# Altium PCB DDS_Generator.PcbDoc
Units mm, origin at the board's own origin, x right, y up, seen from the top; angles counter-clockwise.
Board outline 62 x 100 mm, 2 copper layers (Top Layer, Bottom Layer), stack 1.271 mm thick; 69 components, 51 nets, 244 pads, 176 vias.
Unrouted connection lines stored in the file: 3.
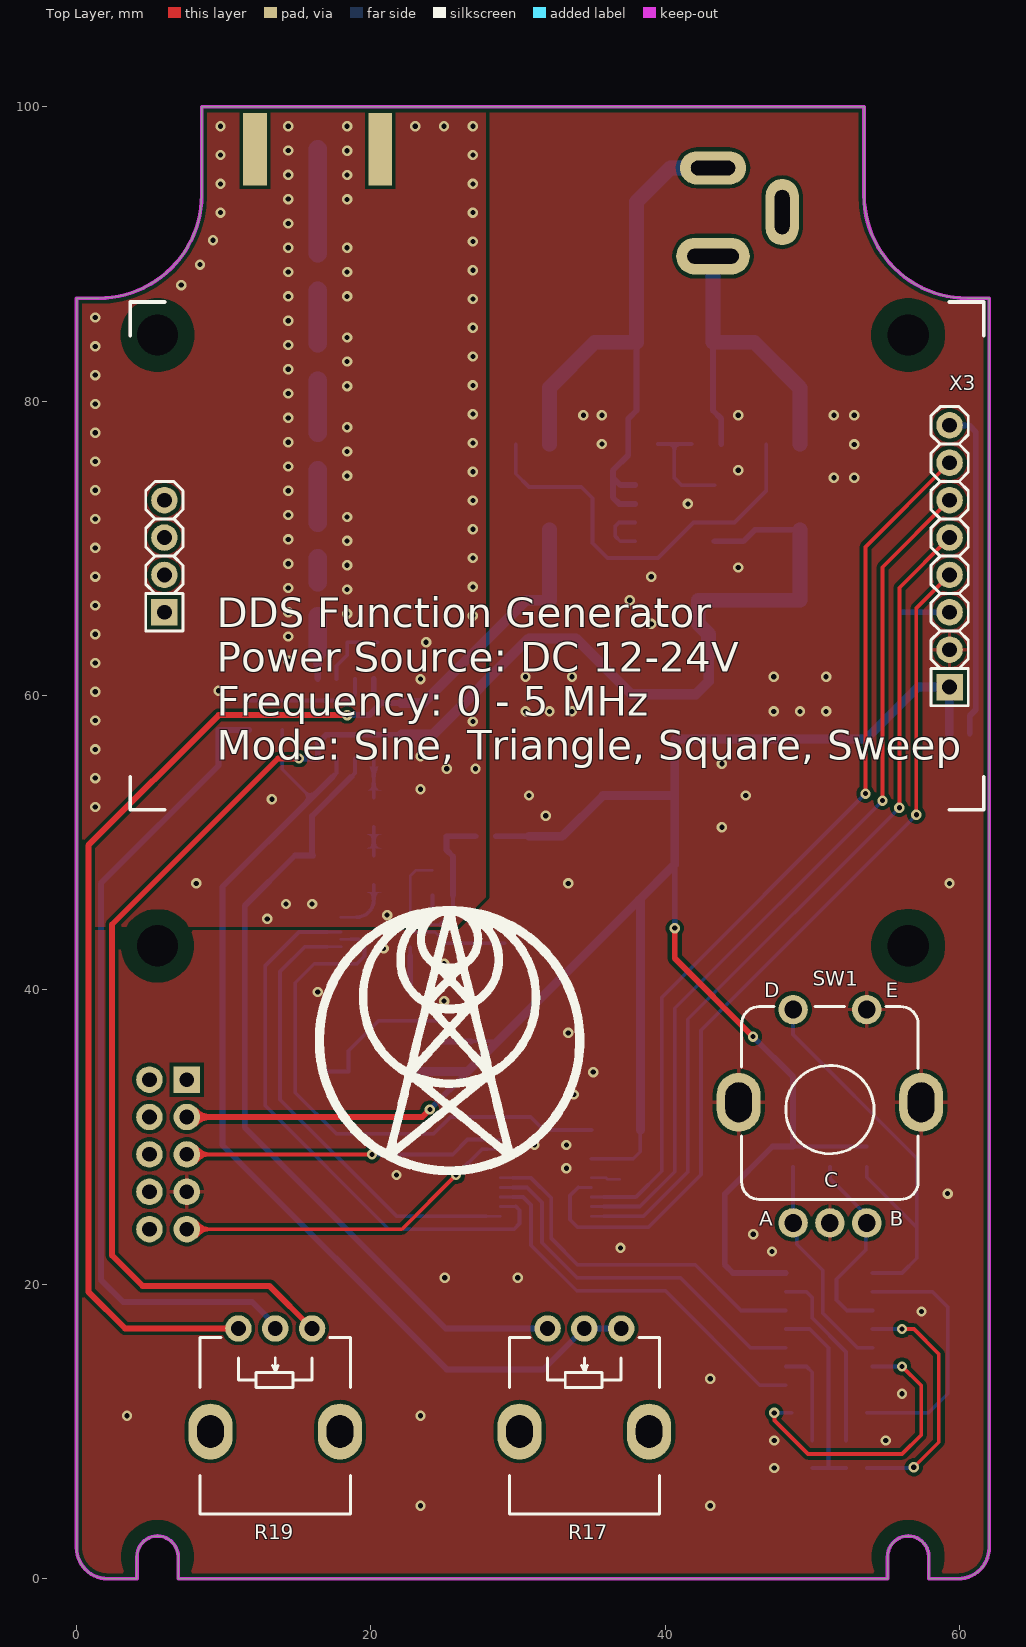
[diagram p0: Top Layer view]
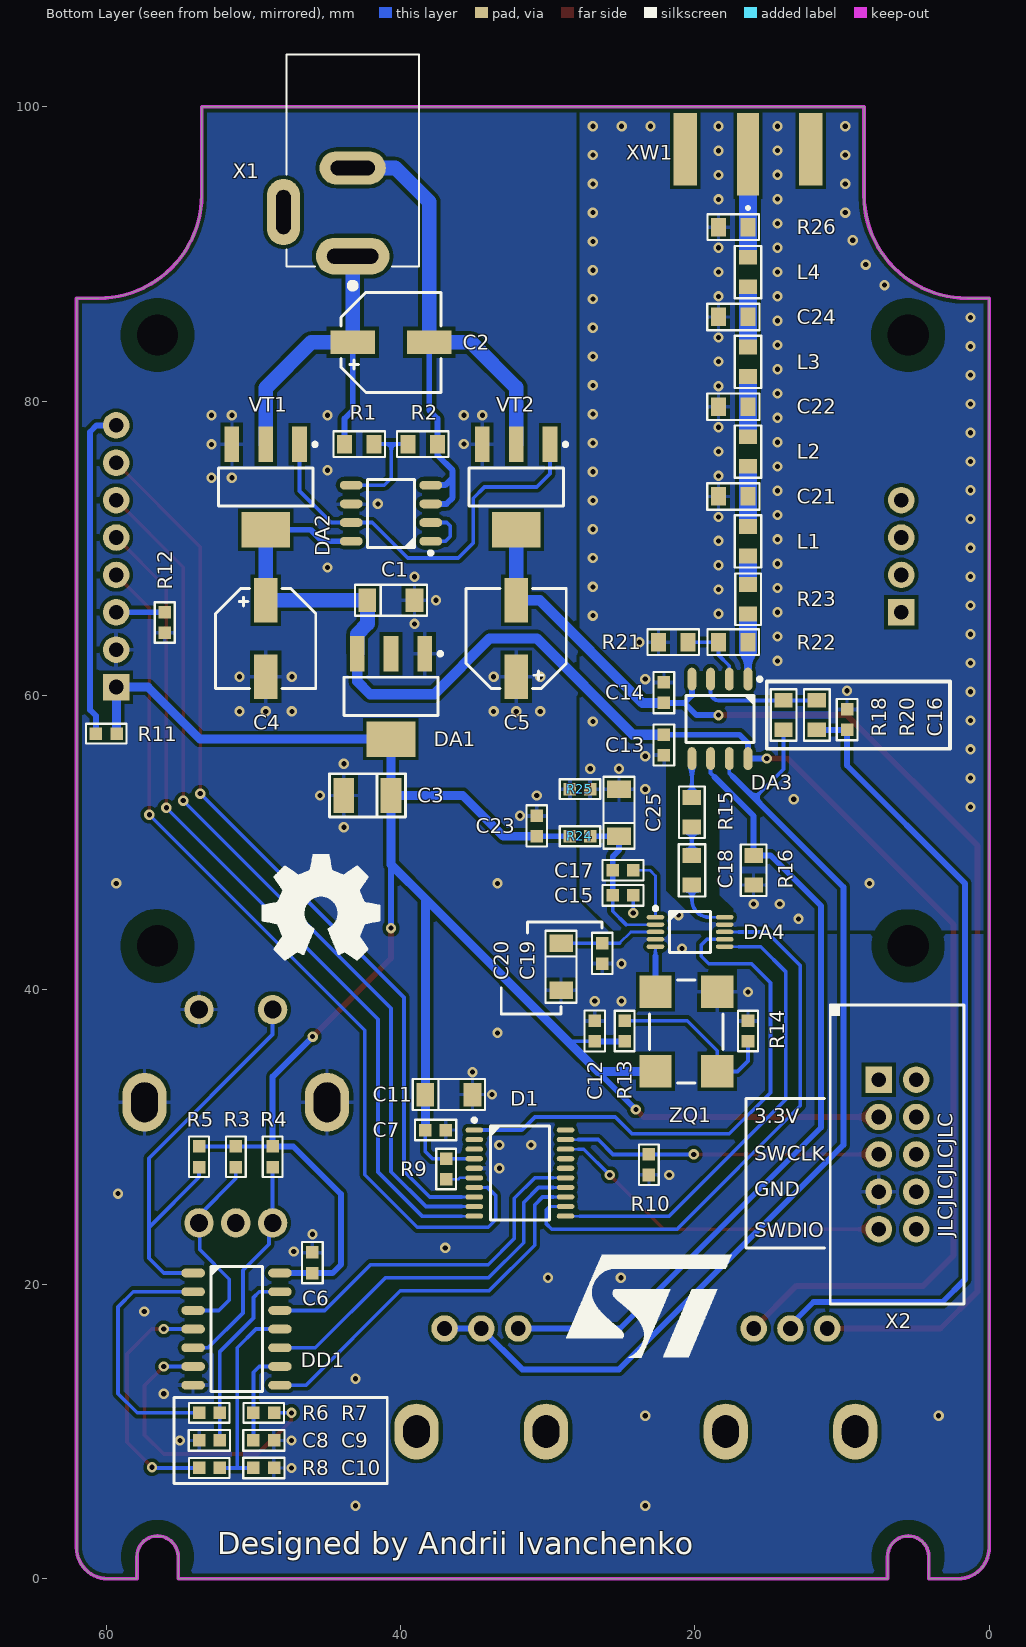
[diagram p1: Bottom Layer view, seen from below]
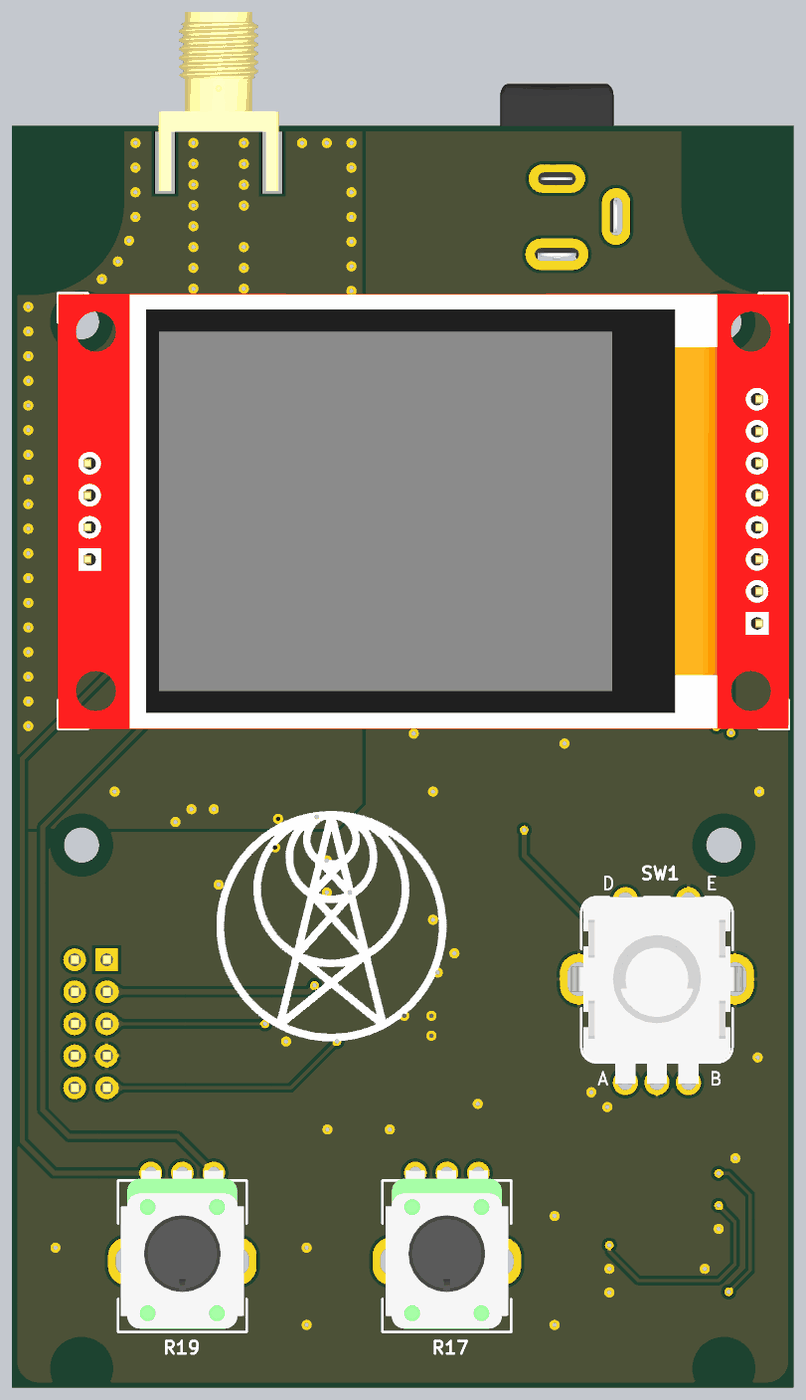
[diagram p2: 3D render of the assembled board from above, using the file's embedded part models]
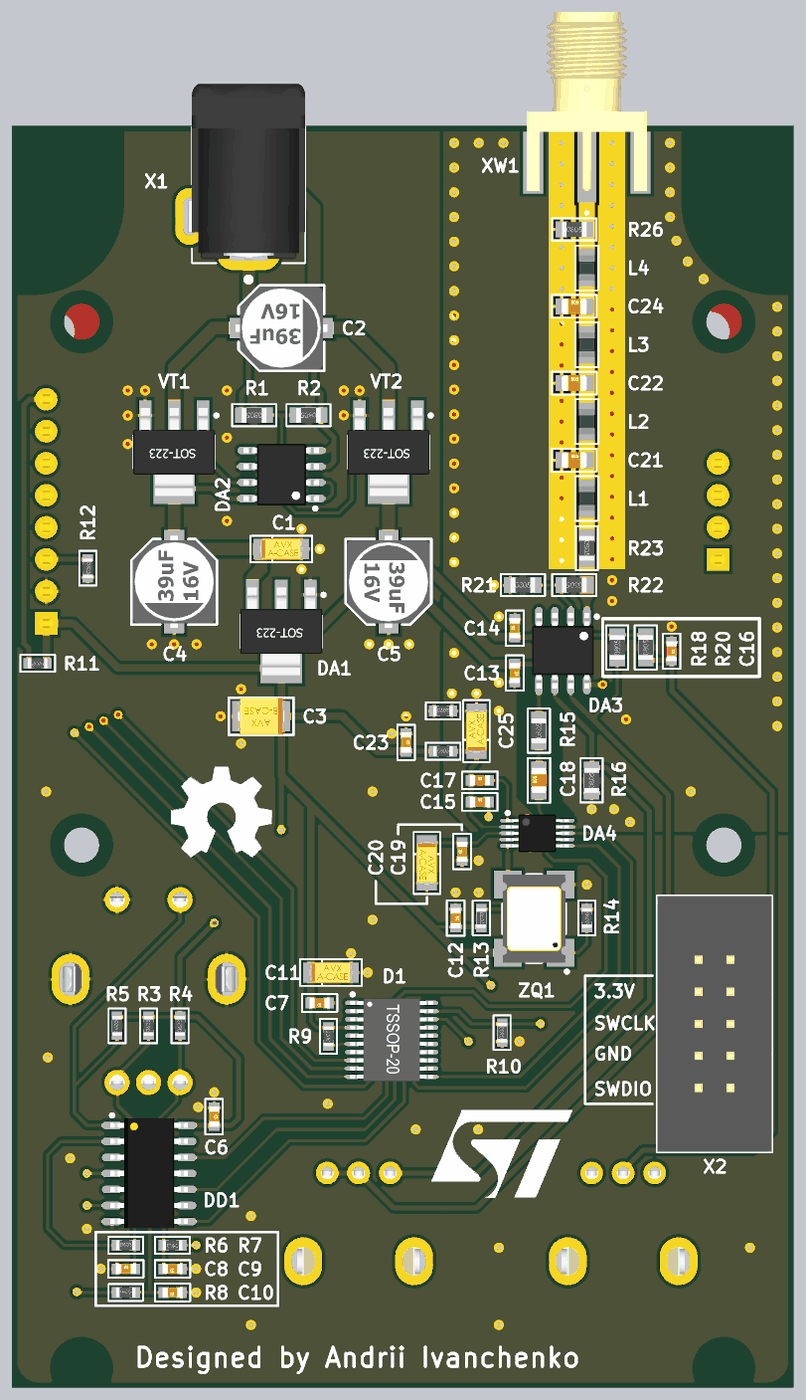
[diagram p3: 3D render of the assembled board from below, using the file's embedded part models]

## Layer stack, top to bottom
Top Solder: solder mask 0.0102, Solder Resist, Dk 3.5
Top Layer: signal copper 0.0356
Dielectric 1: dielectric 1.2, FR-4, Dk 4.8
Bottom Layer: signal copper 0.0356
Bottom Solder: solder mask 0.0102, Solder Resist, Dk 3.5

## Board outline
4.1,0 4.1,1.5 cw(c5.5,1.5) 6.9,1.5 6.9,0 55.1,0 55.1,1.5 cw(c56.5,1.5) 57.9,1.5 57.9,0 59.95,0 59.896,-0.001 ccw(c59.896,2.104) 62.001,2.104 62,2.05 62,87 60.5,87 cw(c60.5,94) 53.5,94 53.5,100 8.5,100 8.5,94 cw(c1.5,94) 1.5,87 0,87 0,2.05 -0.001,2.104 ccw(c2.105,2.104) 2.105,-0.001 2.05,0

## Design rules (kind name [scope] priority, off if disabled: settings)
BoardOutlineClearance [All] p1: gap=0.2 ignorepadtopadclearanceinfootprint=FALSE
Clearance [All] p1: gap=0.254 ignorepadtopadclearanceinfootprint=FALSE except(0.127: SMDPad-SMDPad; 0.33: Arc-THPad Track-THPad; 0.5: THPad-THPad)
HoleSize [All] p1: absolutevalues=TRUE maxlimit=6.3 minlimit=0.2 maxpercent=80.000 minpercent=20.000
MinimumSolderMaskSliver MinimumSolderMaskSliver_TSSOP [HasFootprint('20-TSSOP')] p1: minsoldermaskwidth=0.2
MinimumSolderMaskSliver [All] p2: minsoldermaskwidth=0.254
PolygonConnect PolygonConnectMSOP [HasFootprint('10-MSOP')] p1: thpad.connectstyle=Relief thpad.reliefconductorwidth=0.18 thpad.reliefentries=4 thpad.polygonreliefangle="90 Angle" thpad.airgapwidth=0.254 smdpad.connectstyle=Direct smdpad.reliefconductorwidth=0.18 smdpad.reliefentries=4 smdpad.polygonreliefangle="90 Angle" smdpad.airgapwidth=0.254 via.connectstyle=Direct via.reliefconductorwidth=0.18 via.reliefentries=4 via.polygonreliefangle="90 Angle" via.airgapwidth=0.254
PolygonConnect [All] p2: thpad.connectstyle=Relief thpad.reliefconductorwidth=0.254 thpad.reliefentries=4 thpad.polygonreliefangle="90 Angle" thpad.airgapwidth=0.254 smdpad.connectstyle=Relief smdpad.reliefconductorwidth=0.254 smdpad.reliefentries=4 smdpad.polygonreliefangle="90 Angle" smdpad.airgapwidth=0.254 via.connectstyle=Direct via.reliefconductorwidth=0.254 via.reliefentries=4 via.polygonreliefangle="90 Angle" via.airgapwidth=0.254
RoutingCorners [All] p1: cornerstyle=45-Degree minsetback=1.27 maxsetback=1.27
RoutingVias [All] p1: holewidth=0.35 width=0.7 viastyle="Through Hole" minholewidth=0.25 minwidth=0.5 maxholewidth=0.5 maxwidth=1
SMDEntry [All] p1: side=TRUE corner=FALSE anyangle=FALSE
SMDToCorner [All] p1: distance=0
SilkToSolderMaskClearance [IsPad] p1: minsilkscreentomaskgap=0.15 clearancetoexposedcopper=TRUE
SolderMaskExpansion SolderMaskExpansion_MSOP [HasFootprint('10-MSOP')] p1: expansion=0.1 istentingtop=FALSE
SolderMaskExpansion [All] p2: expansion=0.05 istentingtop=FALSE
UnRoutedNet [All] p1: checkbadconnections=TRUE
Width RF [InNetClass('RF_LINE')] p1: maxlimit=2 minlimit=0.18 preferedwidth=1
Width SPOS/SNEG [InNetClass('SPOS/SNEG')] p2: maxlimit=1 minlimit=0.4 preferedwidth=0.7
Width +3.3V [InNet('+3.3V')] p3: maxlimit=0.6 minlimit=0.254 preferedwidth=0.4
Width Default [All] p4: maxlimit=0.4 minlimit=0.18 preferedwidth=0.254 minimp=50.000000 maximp=50.000000 favimp=50.000000
25 further rules are at their usual default settings.

## Classes and differential pairs
net class RF_LINE: NetC21_2 NetC22_2 NetC24_2 NetDA3_1 NetL1_1 NetL4_2
net class SPOS/SNEG: SNEG SPOS
component class 3_RF: C12 C13 C14 C15 C16 C17 C18 C19 C20 C21 C22 C23 C24 C25 DA3 DA4 L1 L2 L3 L4 R13 R14 R15 R16 R17 R18 R19 R20 R21 R22 R23 R24 R25 R26 XW1 ZQ1
component class 2_MCU: C6 C7 C8 C9 C10 C11 D1 DD1 R3 R4 R5 R6 R7 R8 R9 R10 R11 R12 SW1 X2 X3
component class 1_Power: C1 C2 C3 C4 C5 DA1 DA2 R1 R2 VT1 VT2 X1

## Components (designator, comment, footprint, x,y, rotation, side; value= is the part's Value field where it differs from the comment)
C1 "10u 16V" "CAP: TANTAL-A" 40.64,66.481 r180 bottom
C2 "47u 50V" "CAP: SMD D6.3A6.6H7.7" 40.64,84 r180 bottom
C3 "47u 10V" "CAP: TANTAL-B" 42.24,53.213 r0 bottom
C4 "47u 50V" "CAP: SMD D6.3A6.6H7.7" 49.149,63.881 r270 bottom
C5 "47u 50V" "CAP: SMD D6.3A6.6H7.7" 32.131,63.881 r90 bottom
C6 "0.1u" "CAP: 0603" 45.981,21.47 r270 bottom
C7 "0.1u" "CAP: 0603" 37.603,30.484 r0 bottom
C8 "8.2p" "CAP: 0603" 52.981,9.397 r180 bottom
C9 "8.2p" "CAP: 0603" 49.281,9.397 r0 bottom
C10 "8.2p" "CAP: 0603" 49.281,7.523 r0 bottom
C11 "1u 16V" "CAP: TANTAL-A" 36.703,32.893 r180 bottom
C12 "10n" "CAP: 0603" 26.797,37.211 r270 bottom
C13 "0.1u" "CAP: 0603" 22.098,56.642 r270 bottom
C14 "0.1u" "CAP: 0603" 22.098,60.198 r90 bottom
C15 "0.1u" "CAP: 0603" 24.876,46.427 r180 bottom
C16 "8.2p" "CAP: 0603" 9.652,58.374 r270 bottom
C17 "10n" "CAP: 0603" 24.876,48.133 r180 bottom
C18 "1u 50V" "CAP: 0805" 20.193,48.133 r90 bottom
C19 "0.1u" "CAP: 0603" 26.289,42.48 r90 bottom
C20 "10u 16V" "CAP: TANTAL-A" 29.083,41.58 r270 bottom
C21 "330p" "CAP: 0805" 17.383,73.533 r180 bottom
C22 "510p" "CAP: 0805" 17.383,79.629 r180 bottom
C23 "0.1u" "CAP: 0603" 30.734,51.141 r270 bottom
C24 "330p" "CAP: 0805" 17.383,85.725 r180 bottom
C25 "10u 16V" "CAP: TANTAL-A" 25.146,52.041 r90 bottom
D1 "STM32G030F6P6" 20-TSSOP 31.877,27.559 r180 bottom
DA1 "AMS1117" SOT-223 40.64,59.944 r270 bottom
DA2 "LM358" 8-SOIC 40.64,72.39 r0 bottom
DA3 "AD8066" 8-SOIC 18.288,58.42 r270 bottom
DA4 "AD9833" 10-MSOP 20.32,43.942 r180 bottom
DD1 "SN74HC14" 14-SOIC 54.081,20.77 r180 bottom
L1 "270nH" "IND: 0805" 16.383,70.485 r90 bottom
L2 "1.2uH" "IND: 0805" 16.383,76.581 r90 bottom
L3 "1.2uH" "IND: 0805" 16.383,82.677 r90 bottom
L4 "270nH" "IND: 0805" 16.383,88.773 r90 bottom
R1 "10k" "RES: 0805" 42.799,77.089 r0 bottom
R2 "10k" "RES: 0805" 38.481,77.089 r0 bottom
R3 "9.1k" "RES: 0603" 51.181,28.67 r90 bottom
R4 "9.1k" "RES: 0603" 48.681,28.67 r90 bottom
R5 "9.1k" "RES: 0603" 53.681,28.67 r90 bottom
R6 "9.1k" "RES: 0603" 52.981,11.27 r180 bottom
R7 "9.1k" "RES: 0603" 49.281,11.27 r0 bottom
R8 "9.1k" "RES: 0603" 52.981,7.523 r180 bottom
R9 "9.1k" "RES: 0603" 36.892,27.834 r90 bottom
R10 "9.1k" "RES: 0603" 23.114,28.129 r90 bottom
R11 "0" "RES: 0603" 59.985,57.414 r0 bottom
R12 "0" "RES: 0603" 56.007,64.959 r270 bottom
R13 "0" "RES: 0603" 24.765,37.211 r270 bottom
R14 "0" "RES: 0603" 16.383,37.211 r270 bottom
R15 "1k" "RES: 0805" 20.193,52.07 r90 bottom
R16 "1k" "RES: 0805" 16.002,48.133 r90 bottom
R17 "10k" "RES: PTV09A-4015F" 34.5,17 r180 top locked
R18 "10k" "RES: 0805" 13.97,58.674 r90 bottom
R19 "10k" "RES: PTV09A-4015F" 13.5,17 r180 top locked
R20 "10k" "RES: 0805" 11.708,58.674 r90 bottom
R21 "10k" "RES: 0805" 21.463,63.627 r180 bottom
R22 "10k" "RES: 0805" 17.383,63.627 r0 bottom
R23 "50" "RES: 0805" 16.383,66.548 r270 bottom
R24 "0" "RES: 0603" 27.8,50.441 r180 bottom net-tie
R25 "0" "RES: 0603" 27.8,53.641 r180 bottom net-tie
R26 "50" "RES: 0805" 17.383,91.821 r180 bottom
SW1 "EC11" "ENC: EC11" 51.181,31.87 r0 top locked
VT1 "BCP56" SOT-223 49.149,74.168 r270 bottom
VT2 "BCP53" SOT-223 32.131,74.168 r270 bottom
X1 "PJ002" "CON: PJ002" 43.265,95.885 r90 bottom
X2 "IDC-10MS" "CON: IDC-10MS" 6.223,28.829 r270 bottom
X3 "ST7735 display" "TFT: 1.8 DISPLAY" 32.639,69.469 r0 top locked
XW1 "SMA Edge" "CON: SMA EDGE MOUNT" 16.383,99.568 r0 bottom
ZQ1 "25 MHz" "OSC: 5070G" 22.67,34.468 r90 bottom

## Footprints (in the part's own frame and the unit in brackets; to place one, negate y for a bottom-side part, rotate by r counter-clockwise, add the part's x,y. Pads: shape width x height; smd on the part's side, far side on the other; paste and mask are expansions set on the pad)
8-SOIC [mm] "pitch 1.27 mm"
  rrect100% 1.55x0.6 smd: 1(-2.7,1.905) 2(-2.7,0.635) 3(-2.7,-0.635) 4(-2.7,-1.905) 5(2.7,-1.905) 6(2.7,-0.635) 7(2.7,0.635) 8(2.7,1.905)
  round 0.7 on Mech1: 28(-2.395,1.8)
  silkscreen extent -2.82,-2.3 1.61,2.82, body extent -3,-2.45 3,2.45, height 1.75
10-MSOP [mm] "3x3 mm, pitch 0.5 mm"
  rrect100% 1.2x0.3 smd: 1(-2.35,1) 2(-2.35,0.5) 3(-2.35,0) 4(-2.35,-0.5) 5(-2.35,-1) 6(2.35,-1) 7(2.35,-0.5) 8(2.35,0) 9(2.35,0.5) 10(2.35,1)
  round 0.5 on Mech1: ""(-2.1,1.1)
  silkscreen extent -2.48,-1.4 1.4,1.72, body extent -2.5,-1.5 2.5,1.5, height 1.1
14-SOIC [mm] "pitch 1.27 mm"
  rrect100% 1.6x0.6 smd: 1(0,0) 2(0,-1.27) 3(0,-2.54) 4(0,-3.81) 5(0,-5.08) 6(0,-6.35) 7(0,-7.62) 8(5.9,-7.62) 9(5.9,-6.35) 10(5.9,-5.08) 11(5.9,-3.81) 12(5.9,-2.54) 13(5.9,-1.27) 14(5.9,0)
  rrect100% 0.5x0.5 on Bottom Overlay: ""(0,0.8)
  round 0.5 on Mech1: ""(0.5,0)
  silkscreen extent 1.2,-8.05 4.7,0.45, body extent -0.12,-8.15 6.02,0.55, height 1.78
20-TSSOP [mm] "pitch 0.65 mm"
  oval 1.2x0.35 smd: 1(-3.1,2.925) 2(-3.1,2.275) 3(-3.1,1.625) 4(-3.1,0.975) 5(-3.1,0.325) 6(-3.1,-0.325) 7(-3.1,-0.975) 8(-3.1,-1.625) 9(-3.1,-2.275) 10(-3.1,-2.925) 11(3.1,-2.925) 12(3.1,-2.275) 13(3.1,-1.625) 14(3.1,-0.975) 15(3.1,-0.325) 16(3.1,0.325) 17(3.1,0.975) 18(3.1,1.625) 19(3.1,2.275) 20(3.1,2.925)
  round 0.5 on Mech1: ""(-2.8,2.8)
  silkscreen extent -3.22,-3.2 2,3.72, body extent -3.3,-3.3 3.3,3.3, height 1.2
"CAP: 0603" [mm]
  rect 0.85x0.85 smd: 1(-0.7,0) 2(0.7,0)
  silkscreen extent -1.4,-0.7 1.4,0.7, body extent -0.8,-0.4 0.8,0.4, height 0.3
"CAP: 0805" [mm]
  rect 1x1.25 smd: 1(-1,0) 2(1,0)
  silkscreen extent -1.78,-0.9 1.78,0.9, body extent -1,-0.62 1,0.63, height 0.78
"CAP: SMD D6.3A6.6H7.7" [mm]
  rect 3x1.6 smd mask+0.075: 1(-2.6,0) 2(2.6,0)
  silkscreen extent -3.4,-3.4 3.4,3.4, body extent -3.65,-3.3 3.65,3.3, height 5.9
"CAP: TANTAL-A" [mm]
  rect 1.2x1.6 smd: 1(-1.6,0) 2(1.6,0)
  silkscreen extent -2.45,-1.05 2.45,1.05, body extent -1.7,-0.84 1.7,0.84, height 1.71
"CAP: TANTAL-B" [mm]
  rect 1.4x2.4 smd: 1(-1.6,0) 2(1.6,0)
  silkscreen extent -2.58,-1.48 2.58,1.48, body extent -1.85,-1.46 1.85,1.47, height 2.03
"CON: IDC-10MS" [mm] "IDC-10MS 10 pin PCB-mount header"
  rect 1.8x1.8 hole 1: 1(-5.08,-1.27)
  round 1.8 hole 1: 2(-5.08,1.27) 3(-2.54,-1.27) 4(-2.54,1.27) 5(0,-1.27) 6(0,1.27) 7(2.54,-1.27) 8(2.54,1.27) 9(5.08,-1.27) 10(5.08,1.27)
  round 0.5 on Mech1: ""(-9.6,-4)
  silkscreen extent -10.14,-4.57 10.16,4.53, body extent -10.14,-4.57 10.16,4.53, height 9
"CON: PJ002" [mm]
  oval 2.5x5 hole 1 slot 3.5 at 90 deg: 1(-6.034,-0.025)
  oval 2.25x4.5 hole 1 slot 3 at 90 deg: 2(-0.034,-0.025)
  oval 4.5x2.25 hole 1 slot 3 at 0 deg: 3(-3.034,4.675)
  silkscreen extent -8.23,-4.53 7.67,4.47, body extent -6.43,-4.52 7.47,4.78, height 11
"CON: SMA EDGE MOUNT" [mm]
  rect 1.5x5.6 smd: 1(0,2.8)
  rect 1.6x4.9 smd far side: 2(-4.26,2.45) 2(4.26,2.45)
  rect 1.6x4.9 smd: 2(-4.26,2.45) 2(4.26,2.45)
  silkscreen extent -0.1,6.34 0.1,6.54, body extent -4.76,-9.5 4.76,4.7, height 4.35
"ENC: EC11" [mm] "Encoder+Button"
  round 2 hole 1.2: 1(-2.5,-7.7) 2(0,-7.7) 3(2.5,-7.7) 4(2.5,6.8) 5(-2.5,6.8)
  oval 3x4 hole 1.8 slot 2.7 at 90 deg: 6(-6.2,0.5) 7(6.2,0.5)
  silkscreen extent -6,-6.1 6,7, body extent -6.84,-7.83 6.81,7, height 21.2
"IND: 0805" [mm]
  rect 1x1.25 smd: 1(-1,0) 2(1,0)
  silkscreen extent -1.78,-0.9 1.78,0.9, body extent -1,-0.62 1,0.63, height 0.85
"OSC: 5070G" [mm]
  rect 2.2x2.2 smd: 1(0,-4.2) 2(5.4,-4.2) 3(5.41,0) 4(0,0)
  round 0.5 on Bottom Overlay: ""(-1.5,-4.7)
  silkscreen extent -0.8,-4.6 6.2,0.4, body extent -0.8,-4.6 6.2,0.4, height 1.51
"RES: 0603" [mm]
  rect 0.85x0.85 smd: 1(-0.7,0) 2(0.7,0)
  silkscreen extent -1.38,-0.67 1.38,0.67, body extent -0.8,-0.4 0.8,0.4, height 0.44
"RES: 0805" [mm]
  rect 1x1.25 smd: 1(-1,0) 2(1,0)
  silkscreen extent -1.75,-0.87 1.75,0.87, body extent -1,-0.6 1,0.6, height 0.48
"RES: PTV09A-4015F" [mm]
  oval 3x3.8 hole 1.8 slot 2.2 at 90 deg: 0(-4.4,7) 0(4.4,7)
  round 1.8 hole 1: 1(-2.5,0) 2(0,0) 3(2.5,0)
  silkscreen extent -5.1,0.6 5.1,12.6, body extent -4.88,-0.2 4.88,12.35, height 20
SOT-223 [mm] "SOT223, 4-Leads, Body 6,50x7,00mm (avg), Pitch 2,30mm, IPC Medium Density"
  rect 2.4x1 smd: 1(-2.9,2.3) 2(-2.9,0) 3(-2.9,-2.3)
  rect 2.4x3.3 smd: 4(2.9,0)
  round 0.5 on Mech1: ""(-3,2.7)
  silkscreen extent -3.02,-3.2 1.3,3.47, body extent -3.48,-3.25 3.48,3.25, height 1.65
"TFT: 1.8 DISPLAY" [mm]
  rect 1.8x1.8 hole 1: 1(26.67,-8.89) 9(-26.67,-3.81)
  round 1.8 hole 1: 2(26.67,-6.35) 3(26.67,-3.81) 4(26.67,-1.27) 5(26.67,1.27) 6(26.67,3.81) 7(26.67,6.35) 8(26.67,8.89) 10(-26.67,-1.27) 11(-26.67,1.27) 12(-26.67,3.81)
  silkscreen extent -29,-17.23 29,17.27, body extent -29,-17.25 29,17.25, height 11.4

## Part data
C1 C2 C3 C4 C5 C11 C20 C25: library part Capacitor_polar, "Polarity", 0.1 400="0,1 мк х 400 В", 1 16="1 мк х 16 В", 2.2 16="2,2 мк х 16 В", 10 16="10 мк х 16 В", 47 10="47 мк х 10 В", 47 50="47 мк х 50 В", 100 16="100 мк х 16 В", 470 6,3="470 мк х 6,3 В", 2200 35="2200 мк x 35 В"
C6 C7 C8 C9 C10 C12 C13 C14 C15 C16 C17 C18 C19 C21 C22 C23 C24: library part Capacitor, "Non-polarity", 0,1 мк="0,1 мк", 1 мк="1 мк", 8,2 п="8,2 п", 10 н="10 н", 100 н="100 н", 180 п="180 п", 270 п="270 п", 300 п="300 п", 330 п="330 п", 470 н="470 н", 510 п="510 п"
D1: library part MCU, "MCU", Manufacturer=STMicroelectronics, Package=20-TSSOP, Temperature=-40...+85°C, ValueManufacturerPartNumber="IC microcontroller, 32-Bit, Cortex-M0+, 64MHz, 32KB, 8KB, 2...3.6V, -40...+85°C, 20-TSSOP", ComponentType="IC microcontroller", CoreProcessor=Cortex-M0+, CoreSize=32-Bit, HelpURL=https://www.st.com/en/microcontrollers-microprocessors/stm32g030f6.html, MemoryRAM=8KB, MemoryROM=32KB, PartNumber=STM32G030F6P6, Speed=64MHz, Supply=2...3.6V
DA1: "3.3V Voltage", Model=AMS1117
DA2 DA3: library part "Op Amp", AD8066=AD8066, ComponentLink1Description=Datasheet, ComponentLink1URL=https://www.analog.com/media/en/technical-documentation/data-sheets/AD8065_8066.pdf, LM358=LM358
DA4: "DDS Generator", ComponentLink1Description=Datasheet, ComponentLink1URL=https://www.analog.com/media/en/technical-documentation/data-sheets/ad9833.pdf
DD1: "Schmitt trigger", Model=SN74HC14
L1 L2 L3 L4: library part Inductor, 1.2="1,2 мкГн", 270n="270 нГн", 330n="330 нГн"
R1 R2 R3 R4 R5 R6 R7 R8 R9 R10 R11 R12 R13 R14 R15 R16 R18 R20 R21 R22 R23 R24 R25 R26: library part Resistor, 0=0, 1 к="1 к", 3,3 к="3,3 к", 9,1 к="9,1 к", 10 к="10 к", 50=50, 200=200, 220=220, 510 к="510 к"
R17 R19: library part Potentiometer, 10="10 к", 50="50 к"
SW1: library part Encoder, "Rotary Encoder"
VT1: library part "Transistor NPN", Model=BCP56
VT2: library part "Transistor PNP", Model=BCP53
X1: library part "DC Jack"
X2: library part "Connector SWD", "SWD Interface"
X3: library part "Connector Display", "TFT Display"
XW1: library part "Connector RF"
ZQ1: library part Oscillator

## Free pads (board coordinates)
  round 0 hole 2.8 unplated: M1(5.5,43) M1(5.5,84.5) M1(56.5,43) M1(56.5,84.5)

## Via types
v1: diameter 0.7, hole 0.35, Top Layer to Bottom Layer, 176 vias

## Nets (pads, with @x,y where several pads share a name; then routed paths per layer and width w, separated by ;. In a path a pad name is that pad's centre, name@x,y a point inside that pad or via, vN(x,y) a via of type N, cw(c..) or ccw(c..) an arc to the next point about the centre after c; other vN are vias at no path point)
+3.3V: C3.1 C6.2 C7.2 C11.1 C12.2 C23.2 D1.4 DA1.4 DD1.14 R3.2 R4.2 R5.2 R9.2 R11.1 R13.2 R24.1 X2.3 X3.1 ZQ1.4 | length 156.4
  Top Layer w0.4: X2.3 23.487,31.369 23.995,31.877 v1(24.003,31.877) ; v1(40.64,44.203) 40.64,42.15 v1(45.96,36.83)
  Bottom Layer w0.254: C12.2 28.622,36.511 ; D1.4 R9.2 37.826,28.534 38.303,29.011 C7.2 ; R4.2 R3.2 R5.2
  Bottom Layer w0.4: v1(24.003,31.877) 26.568,34.442 26.568,34.457 ; R13.2 C12.2 ; R24.1 C23.2 ; 40.513,48.402 40.64,48.529 v1(40.64,44.203) ; v1(45.96,36.83) 48.681,34.109 R4.2 47.277,29.37 44.034,26.127 44.034,21.336 44.6,20.77 C6.2 DD1.14
  Bottom Layer w0.6: ZQ1.4 26.579,34.468 ; 26.568,34.457 26.579,34.468 ; C23.2 33.001,50.441 35.773,53.213 C3.1 ; C7.2 C11.1 38.303,46.025 38.219,46.109 ; 40.513,48.402 38.219,46.109 ; 40.64,48.529 C3.1 ; R11.1 X3.1@59.285,60.555 ; X3.1 57.15,60.579 53.615,57.044 DA1.4 C3.1 ; 26.579,34.468 28.622,36.511 38.219,46.109
AD9833_DAT: D1.11 DA4.6 | length 31.8
  Bottom Layer w0.18: 17.018,42.942 DA4.6 ; 27.813,24.634 D1.11
  Bottom Layer w0.254: 17.018,42.942 15.51,42.942 13.827,41.259 13.827,32.544 21.737,24.634 27.813,24.634
AD9833_FSYNC: D1.12 DA4.8 | length 38.8
  Bottom Layer w0.18: 17.018,43.942 DA4.8 ; D1.12 29.845,25.284
  Bottom Layer w0.254: 17.018,43.942 15.113,43.942 12.827,41.656 12.827,32.131 21.209,23.749 29.718,23.749 30.099,24.13 30.099,25.03 29.845,25.284
AD9833_SCK: D1.1 DA4.7 | length 37.6
  Bottom Layer w0.18: DA4.7 19.177,43.442
  Bottom Layer w0.254: 19.177,43.442 19.558,43.061 19.558,42.291 19.05,41.783 16.145,41.783 14.859,40.497 14.859,33.02 17.653,30.226 24.257,30.226 25.4,31.369 30.861,31.369 31.746,30.484 D1.1
AGND: C13.2 C14.2 C15.2 C16.1 C21.1 C22.1 C24.1 C25.2 DA4.9 R16.1 R21.1 R25.2 R26.1 | length 1.2
  Bottom Layer w0.254: v1(24.176,45.233) C15.2
  other v1: 12.954,44.831 21.101,45.085 14.224,45.847 16.002,45.847 8.128,47.244 1.27,52.436 13.27,52.959 23.368,53.641 1.27,54.391 25.146,55.03 27.1,55.03 23.368,55.88 1.27,56.347 26.924,58.242 1.27,58.303 1.27,60.259 9.652,60.325 23.368,61.12 1.27,62.215 14.376,62.357 23.749,63.627 14.376,64.008 1.27,64.17 26.924,65.43 18.383,65.557 14.376,65.659 1.27,66.126 18.383,67.208 14.376,67.31 26.924,67.386 1.27,68.082 18.383,68.859 14.376,68.961 26.924,69.342 1.27,70.038 18.383,70.51 14.376,70.612 26.924,71.298 1.27,71.994 18.383,72.136 14.376,72.263 26.924,73.254 14.376,73.914 1.27,73.949 18.383,74.93 26.924,75.209 14.376,75.565 1.27,75.905 18.383,76.581 26.924,77.165 14.376,77.216 1.27,77.861 18.383,78.232 14.376,78.867 26.924,79.121 1.27,79.817 14.376,80.518 18.383,81.026 26.924,81.077 1.27,81.773 14.376,82.169 18.383,82.702 26.924,83.033 1.27,83.728 14.376,83.82 18.383,84.328 26.924,84.988 14.376,85.471 1.27,85.684 26.924,86.944 14.376,87.122 18.383,87.122 7.112,87.884 14.376,88.773 18.383,88.773 26.924,88.9 8.382,89.281 14.376,90.424 18.383,90.424 26.924,90.856 9.271,90.932 14.376,92.075 9.779,92.812 26.924,92.812 14.376,93.726 18.383,93.714 9.779,94.767 26.924,94.767 14.376,95.377 18.383,95.365 9.779,96.723 26.924,96.723 14.376,97.028 18.383,97.016 9.779,98.679 14.376,98.679 18.383,98.679 23.012,98.679 24.968,98.679 26.924,98.679
AVDD: C15.1 C17.1 C25.1 DA4.2 R24.2 | length 10.5
  Bottom Layer w0.18: DA4.2 24.671,44.442
  Bottom Layer w0.254: 24.671,44.442 25.576,45.346 C15.1
  Bottom Layer w0.4: C15.1 C17.1 25.576,49.069 25.146,49.499 C25.1 R24.2
DDS_OUT: C18.2 R15.1 | length 1.9
  Bottom Layer w0.254: C18.2 R15.1
ENC_BTN: D1.15 DD1.12 | length 24.7
  Bottom Layer w0.18: D1.15 29.631,27.234
  Bottom Layer w0.254: 29.631,27.234 30.876,27.234 32.258,25.852 32.258,23.114 34.036,21.336 42.037,21.336 45.143,18.23 DD1.12
ENC_S1: D1.13 DD1.8 | length 26.3
  Bottom Layer w0.18: D1.13 29.631,25.934
  Bottom Layer w0.254: 29.631,25.934 30.338,25.934 30.876,25.396 30.876,22.657 33.976,19.558 40.005,19.558 46.413,13.15 DD1.8
ENC_S2: D1.14 DD1.10 | length 25.5
  Bottom Layer w0.18: D1.14 29.631,26.584
  Bottom Layer w0.254: 29.631,26.584 30.607,26.584 31.623,25.568 31.623,22.83 34.006,20.447 41.021,20.447 45.778,15.69 DD1.10
GND: C1.2 C3.2 C4.2 C5.1 C6.1 C7.1 C8.1 C9.1 C10.1 C11.2 C12.1 C19.1 C20.2 C23.1 D1.5 DA1.1 DA2.6 DA4.4 DD1.7 R10.1 R12.2 R14.1 R25.1 SW1.2 SW1.4 SW1.6 SW1.7 VT1.3 VT2.3 X2.7 X3.2 ZQ1.2
  other v1: 23.368,4.953 43.053,4.953 47.404,7.523 47.404,9.397 54.98,9.397 3.429,11.074 23.368,11.074 56.081,12.57 43.053,13.589 57.404,18.161 25.019,20.447 29.972,20.447 47.244,22.225 36.957,22.479 45.974,23.4 59.182,26.162 21.737,27.429 33.274,27.884 31.115,29.464 33.274,29.464 33.782,32.893 35.103,34.417 33.401,37.084 24.975,39.243 26.797,39.243 16.383,39.868 24.975,41.78 20.863,42.821 33.401,47.244 59.309,47.244 43.84,51.054 31.877,51.841 30.734,53.213 45.466,53.213 43.84,55.372 30.498,58.928 32.131,58.928 33.664,58.928 47.371,58.928 49.149,58.928 50.927,58.928 30.498,61.281 33.664,61.281 47.371,61.281 50.927,61.281 39.04,64.871 37.586,66.481 39.04,68.072 44.958,68.707 41.529,73.025 51.449,74.803 52.832,74.803 44.958,75.311 35.687,77.089 52.832,77.068 34.431,79.048 35.687,79.048 44.958,79.048 51.449,79.048 52.832,79.048
NetC8_2: C8.2 DD1.13 R6.2 | length 12.6
  Bottom Layer w0.254: DD1.13 49.595,19.5 49.981,19.114 49.981,17.708 52.281,15.408 R6.2 C8.2
NetC9_2: C9.2 DD1.9 R7.2 | length 6.6
  Bottom Layer w0.254: DD1.9 49.595,14.42 49.981,14.034 R7.2 C9.2
NetC10_2: C10.2 DD1.11 R8.2 | length 13.9
  Bottom Layer w0.254: DD1.11 49.811,16.96 51.081,15.69 51.081,7.523 ; C10.2 51.081,7.523 ; R8.2 51.081,7.523
NetC16_2: C16.2 R19.2 R20.1 | length 56.1
  Bottom Layer w0.4: R20.1 C16.2 9.652,55.245 1.651,47.244 1.651,20.32 3.175,18.796 11.938,18.796 13.5,17.234 R19.2
NetC17_2: C17.2 DA4.1 | length 4.5
  Bottom Layer w0.18: DA4.1 22.67,47.757 23.046,48.133 C17.2
NetC18_1: C18.1 DA4.10 | length 3.9
  Bottom Layer w0.18: DA4.10 19.021,44.942
  Bottom Layer w0.254: 19.021,44.942 ccw(c19.021,46.114) 20.193,46.114 C18.1
NetC19_2: C19.2 C20.1 DA4.3 | length 6.7
  Bottom Layer w0.18: DA4.3 24.34,43.942 25.102,43.18
  Bottom Layer w0.254: 25.102,43.18 C19.2 C20.1
NetC21_2: C21.2 L1.2 L2.1 | length 3.6
  Bottom Layer w1.25: L1.2@16.383,71.755 C21.2 L2.1@16.383,75.311
NetC22_2: C22.2 L2.2 L3.1 | length 3.6
  Bottom Layer w1.25: L2.2@16.383,77.851 C22.2 L3.1@16.383,81.407
NetC24_2: C24.2 L3.2 L4.1 | length 3.6
  Bottom Layer w1.25: L3.2@16.383,83.947 C24.2 L4.1@16.383,87.503
NetD1_6: D1.6 R9.1 | length 2
  Bottom Layer w0.18: D1.6 35.968,27.234 36.068,27.134 R9.1
NetDA2_1: DA2.1 DA2.2 | length 3.6
  Bottom Layer w0.254: DA2.1 36.938,70.485 36.606,70.817 36.606,71.517 36.844,71.755 DA2.2
NetDA2_5: DA2.5 R1.1 R2.2 | length 7.6
  Bottom Layer w0.254: R2.2 40.615,77.089 ; R1.1 40.615,77.089 ; DA2.5 41.099,74.295 40.615,74.78 40.615,77.089
NetDA2_7: DA2.7 VT1.1 VT2.1 | length 28.2
  Bottom Layer w0.254: VT2.1 29.831,75.071 30.734,74.168 34.29,74.168 35.052,73.406 35.052,70.358 36.068,69.342 39.497,69.342 41.91,71.755 DA2.7 44.704,71.755 46.849,73.9 VT1.1
NetDA3_1: DA3.1 R22.1 R23.2 | length 4.3
  Bottom Layer w0.4: DA3.1 16.383,62.992
  Bottom Layer w1.25: 16.383,62.992 R22.1 R23.2@16.383,65.405
NetDA3_2: DA3.2 R21.2 R22.2 | length 4.9
  Bottom Layer w0.254: DA3.2 17.653,62.022 18.383,62.752 R22.2 R21.2
NetDA3_3: DA3.3 R18.2 R20.2 | length 8.4
  Bottom Layer w0.254: R20.2 18.383,59.674 ccw(c18.383,60.214) 18.923,60.214 DA3.3
NetDA3_5: DA3.5 R15.2 | length 2.6
  Bottom Layer w0.254: R15.2 DA3.5
NetDA3_6: DA3.6 R16.2 R17.3 | length 55.2
  Bottom Layer w0.254: 18.669,54.483 18.923,54.737 DA3.6
  Bottom Layer w0.4: R16.2 16.002,51.816 18.669,54.483 ; R16.2@16.083,49.133 14.843,49.133 11.427,45.717 11.427,30.651 25.078,17 R17.3
NetDA3_7: DA3.7 R17.1 R17.2 R18.1 | length 69.5
  Bottom Layer w0.254: R18.1 13.97,54.991 15.938,53.023 ; 17.399,54.483 17.653,54.737 DA3.7
  Bottom Layer w0.4: 17.399,54.483 15.938,53.022 9.906,46.99 9.906,29.464 25.146,14.224 31.724,14.224 R17.2 R17.1
NetDA4_5: DA4.5 ZQ1.3 | length 3.1
  Bottom Layer w0.18: 22.67,42.291 DA4.5
  Bottom Layer w0.4: ZQ1.3 22.67,42.291
NetDD1_1: DD1.1 R5.1 SW1.5 | length 29.3
  Bottom Layer w0.254: SW1.5 48.681,36.97 57.081,28.57 57.081,23.87 ; R5.1 53.681,27.27 57.081,23.87 ; DD1.1 56.081,20.77 57.081,21.77 57.081,23.87
NetDD1_2: DD1.2 R6.1 | length 17.5
  Bottom Layer w0.254: R6.1 57.881,11.27 59.181,12.57 59.181,18.47 58.151,19.5 DD1.2
NetDD1_3: DD1.3 R3.1 SW1.3 | length 13.7
  Bottom Layer w0.254: R3.1 51.181,27.186 53.681,24.686 SW1.3 53.624,24.113 53.624,22.344 51.624,20.344 51.624,18.944 52.337,18.23 DD1.3
NetDD1_4: DD1.4 R8.1 | length 16.8
  Top Layer w0.254: v1(56.081,16.96) 56.891,16.96 58.581,15.27 58.581,9.27 v1(56.881,7.57)
  Bottom Layer w0.254: R8.1 56.834,7.523 v1(56.881,7.57) ; DD1.4 v1(56.081,16.96)
NetDD1_5: DD1.5 R4.1 SW1.1 | length 15.1
  Bottom Layer w0.254: R4.1 SW1.1 48.929,23.922 48.929,22.722 50.697,20.954 50.697,18.054 53.061,15.69 DD1.5
NetDD1_6: DD1.6 R7.1 | length 20.3
  Top Layer w0.254: v1(47.404,11.27) 47.415,11.259 47.415,10.755 49.7,8.47 56.081,8.47 57.381,9.77 57.381,13.12 v1(56.081,14.42)
  Bottom Layer w0.254: v1(47.404,11.27) R7.1 ; DD1.6 v1(56.081,14.42)
NetL1_1: L1.1 R23.1 | length 1.7
  Bottom Layer w1.25: R23.1@16.383,67.691 L1.1@16.383,69.342
NetL4_2: L4.2 R26.2 XW1.1 | length 7.1
  Bottom Layer w1.25: L4.2@16.383,90.043 R26.2 XW1.1 XW1.1@16.383,97.118
NetR11_2: R11.2 X3.8 | length 22.6
  Bottom Layer w0.4: X3.8 60.642,78.359 61.087,77.914 61.087,59.029 60.685,58.627 R11.2
NetR12_1: R12.1 X3.3 | length 3.3
  Bottom Layer w0.4: R12.1 X3.3
NetR13_1: R13.1 R14.2 ZQ1.1 | length 12.3
  Bottom Layer w0.254: R14.2 16.383,35.179 17.094,34.468 ZQ1.1 18.47,35.869 20.512,37.911 R13.1
SNEG: C2.2 C5.2 C14.1 DA2.3 DA2.4 DA3.4 R2.1 R19.3 VT2.2 VT2.4 X1.2 X1.3 | length 127.7
  Top Layer w0.4: R19.3 3.3,17 0.8,19.5 0.8,49.822 9.652,58.674 v1(18.383,58.674)
  Bottom Layer w0.4: v1(18.383,58.674) 19.877,58.674 20.701,59.498 ; DA3.4 20.193,60.006 20.701,59.498 ; C14.1 20.701,59.498 ; DA2.3 36.871,73.025 36.449,73.447 36.449,74.803 ; DA2.4 36.957,74.295 36.449,74.803 ; C2.2 38.04,79.375 37.481,78.816 R2.1 37.481,76.337 36.449,75.305 36.449,74.803
  Bottom Layer w0.7: C14.1 23.557,59.498 30.54,66.481 C5.2
  Bottom Layer w1: C5.2 VT2.4 ; VT2.2 32.131,80.929 35.202,84 C2.2 38.04,93.539 40.352,95.851 X1.2
SPOS: C1.1 C2.1 C4.1 C13.1 DA1.3 DA2.8 DA3.8 R1.2 R19.1 VT1.2 VT1.4 X1.1 | length 136.9
  Top Layer w0.4: v1(15.113,55.72) 13.683,55.72 2.413,44.45 2.413,21.971 4.484,19.9 13.1,19.9 R19.1
  Bottom Layer w0.4: v1(15.113,55.72) DA3.8 16.383,56.769 16.956,57.342 C13.1 ; C2.1 43.24,79.375 43.799,78.816 R1.2 ; DA2.8 45.312,70.485 46.095,71.268 VT1.4
  Bottom Layer w0.7: C13.1 24.195,57.342 30.734,63.881 33.919,63.881 37.7,60.1 42.066,60.1 42.94,60.974 DA1.3
  Bottom Layer w1: DA1.3 42.94,64.171 42.24,64.871 C1.1 C4.1 VT1.4 ; X1.1 C2.1 46.048,84 49.149,80.899 VT1.2
ST7735_DC: D1.10 X3.5 | length 58.3
  Top Layer w0.254: v1(55.902,52.384) 55.902,67.332 X3.5
  Bottom Layer w0.18: D1.10 35.831,24.634
  Bottom Layer w0.254: 35.831,24.634 38.537,24.634 41.529,27.626 41.529,38.011 v1(55.902,52.384)
ST7735_RES: D1.7 X3.4 | length 61.7
  Top Layer w0.254: v1(57.056,51.906) 57.056,65.946 X3.4
  Bottom Layer w0.18: 34.077,26.584 D1.7
  Bottom Layer w0.254: 34.077,26.584 33.528,26.035 33.528,24.384 34.036,23.876 38.851,23.876 42.418,27.443 42.418,37.268 v1(57.056,51.906)
ST7735_SCK: D1.8 X3.7 | length 61.7
  Top Layer w0.254: v1(53.594,53.34) 53.594,70.104 X3.7
  Bottom Layer w0.18: D1.8 35.831,25.934
  Bottom Layer w0.254: 35.831,25.934 37.999,25.934 39.751,27.686 39.751,39.497 v1(53.594,53.34)
ST7735_SDA: D1.9 X3.6 | length 60
  Top Layer w0.254: v1(54.748,52.862) 54.748,68.718 X3.6
  Bottom Layer w0.18: D1.9 35.831,25.284
  Bottom Layer w0.254: 35.831,25.284 38.268,25.284 40.64,27.656 40.64,38.754 v1(54.748,52.862)
SWCLK: D1.19 R10.2 X2.5 | length 21.7
  Top Layer w0.254: X2.5 v1(20.066,28.829)
  Bottom Layer w0.18: 27.923,29.834 D1.19
  Bottom Layer w0.254: v1(20.066,28.829) 25.553,28.829 26.558,29.834 27.923,29.834
SWDIO: D1.18 X2.9 | length 23.5
  Top Layer w0.254: X2.9 22.101,23.749 v1(25.781,27.429)
  Bottom Layer w0.18: 27.923,29.184 D1.18
  Bottom Layer w0.254: v1(25.781,27.429) 27.536,29.184 27.923,29.184
pads on no net: D1. D1.2 D1.3 D1.16 D1.17 D1.20 DA1. DA1.2 DA2.28 DA3.28 DA4. DD1. R17.0 R19.0 VT1. VT2. X2. X2.1 X2.2 X2.4 X2.6 X2.8 X2.10 X3.9 X3.10 X3.11 X3.12 XW1.2 ZQ1.

## Polygon pours and split planes (outlines as drawn)
GND on Top Layer "NONET_L-01_P-001" (solid, pour order 3): 27.8,100 53.5,100 53.5,94 ccw(c60.5,94) 60.5,87 62,87 62,0 57.9,0 57.9,1.5 57.889,1.5 ccw(c56.5,1.5) 56.5,2.889 56.489,2.889 ccw(c56.489,1.5) 55.1,1.5 55.1,0 6.9,0 6.9,1.5 ccw(c5.511,1.5) 5.511,2.889 5.489,2.889 ccw(c5.489,1.5) 4.1,1.5 4.1,0 0,0 0,44.3 25.8,44.3 27.8,46.3
AGND on Top Layer "NONET_L-01_P-001" (solid, pour order 1): 8.5,100 8.5,94 cw(c1.5,94) 1.5,87 0,87 0,44.3 25.8,44.3 27.8,46.3 27.8,100
GND on Bottom Layer "NONET_L-01_P-001" (solid, pour order 4): 27.8,100 53.5,100 53.5,94 ccw(c60.5,94) 60.5,87 62,87 62,0 57.9,0 57.9,1.5 57.889,1.5 ccw(c56.5,1.5) 56.5,2.889 56.489,2.889 ccw(c56.489,1.5) 55.1,1.5 55.1,0 6.9,0 6.9,1.5 ccw(c5.511,1.5) 5.511,2.889 5.489,2.889 ccw(c5.489,1.5) 4.1,1.5 4.1,0 0,0 0,44.041 25.541,44.041 27.8,46.3
AGND on Bottom Layer "NONET_L-01_P-001" (solid, pour order 2): 8.5,100 8.5,94 cw(c1.5,94) 1.5,87 0,87 0,44.041 25.541,44.041 27.8,46.3 27.8,100

## Keep-outs
Keep-Out Layer:
  lines w0.254: 0,2.05 0,87 1.5,87 ccw(c1.5,94) 8.5,94 8.5,100 ; -0.001,2.104 ccw(c2.105,2.104) 2.105,-0.001 ; 2.05,0 4.1,0 4.1,1.5 cw(c5.5,1.5) 6.9,1.5 6.9,0 55.1,0 55.1,1.5 cw(c56.5,1.5) 57.9,1.5 57.9,0 59.95,0 ; 59.896,-0.001 ccw(c59.896,2.104) 62.001,2.104 ; 62,2.05 62,87 60.5,87 cw(c60.5,94) 53.5,94 53.5,100 8.5,100 ; 8.5,100 8.5,100

## Other copper
Top Layer:
  pour cut-out: 56.5,-1 cw(c56.5,1.5) 54,1.5 cw(c56.5,1.5) 56.5,4 cw(c56.5,1.5) 59,1.5 cw(c56.5,1.5)
  pour cut-out: 5.5,-1 cw(c5.5,1.5) 3,1.5 cw(c5.5,1.5) 5.5,4 cw(c5.5,1.5) 8,1.5 cw(c5.5,1.5)
  pour cut-out: 5.5,40.5 cw(c5.5,43) 3,43 cw(c5.5,43) 5.5,45.5 cw(c5.5,43) 8,43 cw(c5.5,43)
  pour cut-out: 56.5,40.5 cw(c56.5,43) 54,43 cw(c56.5,43) 56.5,45.5 cw(c56.5,43) 59,43 cw(c56.5,43)
  pour cut-out: 56.5,82 cw(c56.5,84.5) 54,84.5 cw(c56.5,84.5) 56.5,87 cw(c56.5,84.5) 59,84.5 cw(c56.5,84.5)
  pour cut-out: 5.5,82 cw(c5.5,84.5) 3,84.5 cw(c5.5,84.5) 5.5,87 cw(c5.5,84.5) 8,84.5 cw(c5.5,84.5)
Bottom Layer:
  pour cut-out: 5.5,82 cw(c5.5,84.5) 3,84.5 cw(c5.5,84.5) 5.5,87 cw(c5.5,84.5) 8,84.5 cw(c5.5,84.5)
  pour cut-out: 56.5,-1 cw(c56.5,1.5) 54,1.5 cw(c56.5,1.5) 56.5,4 cw(c56.5,1.5) 59,1.5 cw(c56.5,1.5)
  pour cut-out: 5.5,-1 cw(c5.5,1.5) 3,1.5 cw(c5.5,1.5) 5.5,4 cw(c5.5,1.5) 8,1.5 cw(c5.5,1.5)
  pour cut-out: 5.5,40.5 cw(c5.5,43) 3,43 cw(c5.5,43) 5.5,45.5 cw(c5.5,43) 8,43 cw(c5.5,43)
  pour cut-out: 56.5,40.5 cw(c56.5,43) 54,43 cw(c56.5,43) 56.5,45.5 cw(c56.5,43) 59,43 cw(c56.5,43)
  pour cut-out: 56.5,82 cw(c56.5,84.5) 54,84.5 cw(c56.5,84.5) 56.5,87 cw(c56.5,84.5) 59,84.5 cw(c56.5,84.5)
  pour cut-out: 18.288,56.261 18.934,56.907 21.971,56.907 21.971,46.75 19.946,44.784 19.621,44.784 17.362,44.784 17.362,45.517 18.288,46.442
  pour cut-out: 19.314,47.611 21.072,47.611 21.072,48.631 19.314,48.631
  pour cut-out: 19.322,52.582 21.08,52.582 21.08,51.562 19.322,51.562
  pour cut-out: 17.653,29.838 17.094,29.838 16.945,29.986 16.945,30.48
  pour cut-out: 17.262,76.073 15.504,76.073 15.504,77.093 17.262,77.093
  pour cut-out: 17.265,66.04 15.507,66.04 15.507,67.06 17.265,67.06
  pour cut-out: 15.504,70.993 17.262,70.993 17.262,69.973 15.504,69.973
  pour cut-out: 15.504,83.185 17.262,83.185 17.262,82.165 15.504,82.165
  pour cut-out: 15.504,89.281 17.262,89.281 17.262,88.261 15.504,88.261

## Silkscreen, mask and mechanical layers (free items; w line width, h text height)
Top Overlay:
  region: 1778 vertices and 20 holes, not listed, extent 16.231,27.445 34.481,45.695
  text "DDS Function Generator / Power Source: DC 12-24V / Frequency: 0 - 5 MHz / Mode: Sine, Triangle, Square, Sweep" at 9.525,55.626 h2
Bottom Overlay:
  drawing of 21 lines, arcs and shapes, not listed
  text "3.3V" at 15.952,30.934 h1
  text "SWCLK" at 15.952,28.394 h1
  text "GND" at 15.952,25.981 h1
  text "JLCJLCJLCJLC" at 2.486,23.187 h1 r270
  text "SWDIO" at 15.952,23.187 h1
  text "Designed by Andrii Ivanchenko" at 52.451,1.651 h1.52
Bottom Solder:
  rectangle: 13.335,64.897 19.431,99.695
Mechanical 1:
  lines w0.254: 8.7,103.5 53.5,103.5
  text "Case edge" at 53.721,104.267 h1.52
Mechanical 15:
  circle w0.254: c1.5,94 r5
  circle w0.254: c60.5,94 r5
  lines w0.2: 0.127,44.196 18.7,44.249 18.9,44.323 25.027,44.323 27.686,46.982 27.686,100

## Dimensions
5.5,43 to 4.1,1.5 on Mechanical 16
5.5,84.5 to 5.5,43 on Mechanical 16
62,2.05 to 0,2.05 on Mechanical 16
8.5,100 to 53.5,100 on Mechanical 16
2.05,0 to 8.5,100 on Mechanical 16

## Text inside footprints (layer, text, board x,y; h text height)
SW1: Top Overlay "B" at 55.245,23.996 h1; Top Overlay "C" at 50.8,26.612 h1; Top Overlay "D" at 46.736,39.49 h1; Top Overlay "A" at 46.371,23.996 h1; Top Overlay "E" at 54.981,39.49 h1
XW1: Mechanical 13 "PCB Edge" at 21.683,100.768 h0.81 r180